# Altium PCB PCIE_X4_X16_ADP_V1.PcbDoc (continued)
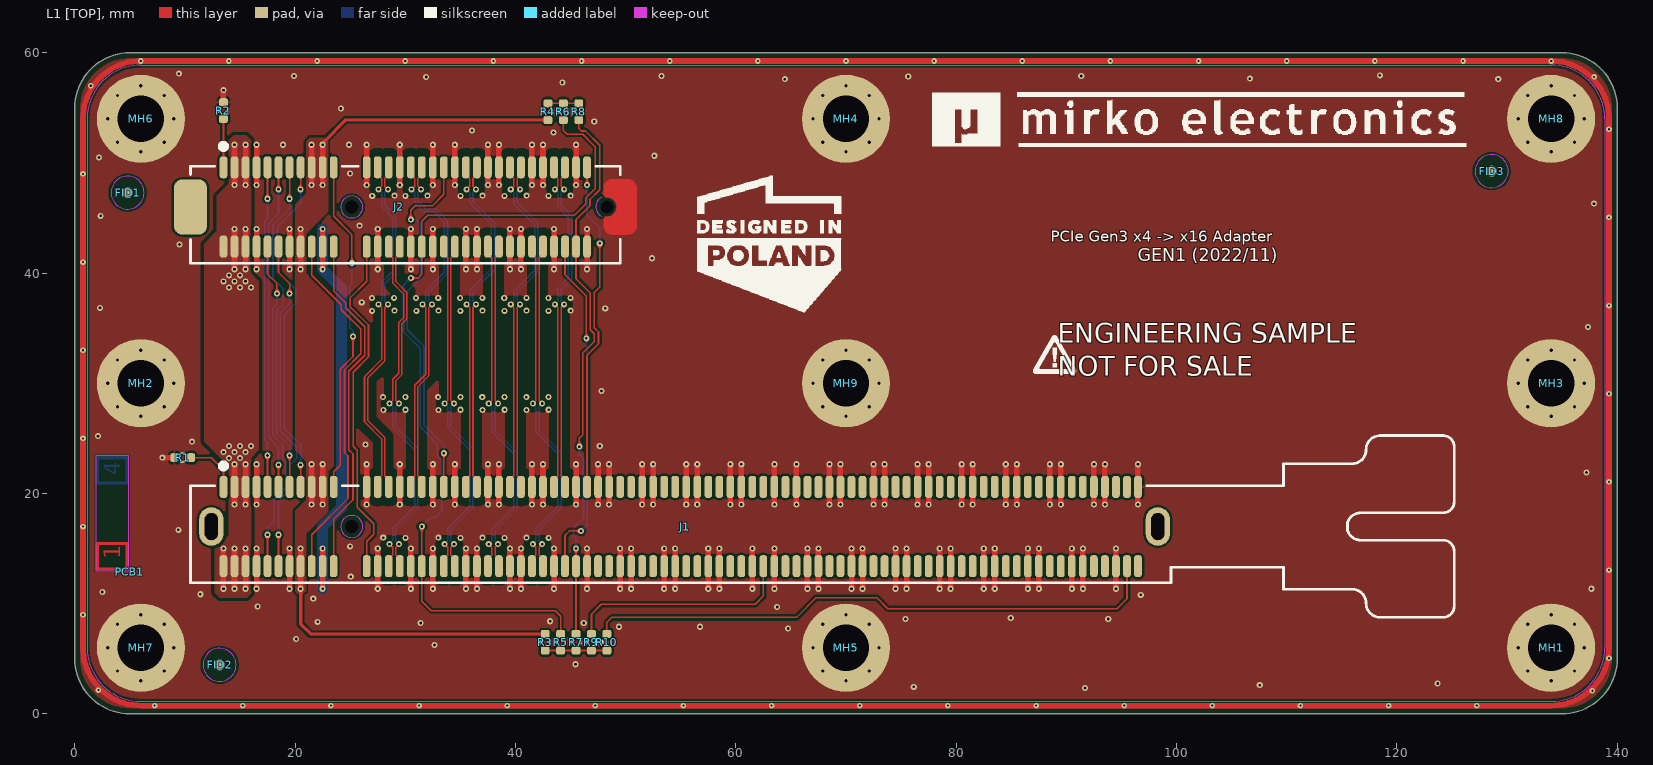
[diagram p0: L1 [TOP] view]
## Footprints (in the part's own frame and the unit in brackets; to place one, negate y for a bottom-side part, rotate by r counter-clockwise, add the part's x,y. Pads: shape width x height; smd on the part's side, far side on the other; paste and mask are expansions set on the pad) (continued)
  L4 [BOT] pour cut-out: 10.6,3.2 0,3.2 0,0 10.6,0
  L4 [BOT] lines w0.3: 8.05,2.95 10.35,2.95 10.35,0.25 8.05,0.25 8.05,2.95
  Keep-Out Layer region: 0.1,0.1 10.5,0.1 10.5,3.1 0.1,3.1
RES_0603_R [mm]
  rrect50% 0.75x0.8 smd: 1(-0.75,0) 2(0.75,0)
  silkscreen extent -0.15,-0.4 0.15,0.4, body extent -0.8,-0.4 0.8,0.4, height 0.3

## Part data
FID1 FID2 FID3: library part PCB_FID_RND, "PCB Marking; Fiducial; Round;", Component Subtype=-, Component Type=Fiducial, Mounting Type=-, Supplier=?
J1: library part CON_PCIE_X16_164P_A2, "Connector; PCIE x16 (164 pin)", Manufacturer=UMAX, MPN=91621-120113N
J2: library part CON_PCIE_X4_64P_A2, "Connector; PCIE x4 (64 pin)", Manufacturer=UMAX, MPN="UMAX 3113-111T"
MH1 MH2 MH3 MH4 MH5 MH6 MH7 MH8 MH9: library part PCB_MECH_MH, "PCB Marking; Mounting hole;", Component Subtype=-, Component Type="Mounting Hole", Mounting Type=-, Supplier=?
R1 R2 R3 R4 R5 R6 R7 R8 R9 R10: library part RES-0051, "Resistor; Thick Film; DNP; TBD; TBD; TBD; TBD; DO NOT PLACE; SMD; 0603 (1608);", Manufacturer=TBD, Package (Case)="0603 (1608)", Component Body="1.60 x 0.80mm", Component Height=TBD, Component Subtype="Thick Film", Component Type=Resistor, Features="DO NOT PLACE", ID=RES-0051, Mounting Type=SMD, MPN=TBD, Operating Temperature=TBD, Packaging Type=TBD, Power Rating=TBD, Resistance=DNP, ROHS Status=TBD, TCR=TBD, Tolerance=TBD, Voltage Rating=TBD
PCB1: Component Subtype=-, Component Type="PCB Marking", Mounting Type=-, Supplier=?

## Via types
v1: diameter 0.55, hole 0.25, L1 [TOP] to L4 [BOT], 408 vias
v2: diameter 0.65, hole 0.3, L1 [TOP] to L4 [BOT], 72 vias
v3: diameter 0.5, hole 0.2, L1 [TOP] to L4 [BOT], 50 vias

## Nets (pads, with @x,y where several pads share a name; then routed paths per layer and width w, separated by ;. In a path a pad name is that pad's centre, name@x,y a point inside that pad or via, vN(x,y) a via of type N, cw(c..) or ccw(c..) an arc to the next point about the centre after c; other vN are vias at no path point)
GND: J1.A04 J1.A12 J1.A15 J1.A18 J1.A20 J1.A23 J1.A24 J1.A27 J1.A28 J1.A31 J1.A33 J1.A34 J1.A37 J1.A38 J1.A41 J1.A42 J1.A45 J1.A46 J1.A49 J1.A51 J1.A54 J1.A55 J1.A58 J1.A59 J1.A62 J1.A63 J1.A66 J1.A67 J1.A70 J1.A71 J1.A74 J1.A75 J1.A78 J1.A79 J1.A82 J1.B04 J1.B07 J1.B13 J1.B16 J1.B18 J1.B21 J1.B22 J1.B25 J1.B26 J1.B29 J1.B32 J1.B35 J1.B36 J1.B39 J1.B40 J1.B43 J1.B44 J1.B47 J1.B49 J1.B52 J1.B53 J1.B56 J1.B57 J1.B60 J1.B61 J1.B64 J1.B65 J1.B68 J1.B69 J1.B72 J1.B73 J1.B76 J1.B77 J1.B80 J2.A04 J2.A12 J2.A15 J2.A18 J2.A20 J2.A23 J2.A24 J2.A27 J2.A28 J2.A31 J2.B04 J2.B07 J2.B13 J2.B16 J2.B18 J2.B21 J2.B22 J2.B25 J2.B26 J2.B29 J2.B32 MH1.MH MH2.MH MH3.MH MH4.MH MH5.MH MH6.MH MH7.MH MH8.MH MH9.MH R1.1 R2.1 | length 1100.7
  L1 [TOP] w0.5: v1(7.95,23.25) R1.1 ; R2.1 v1(13.5,56.6) ; v1(16.5,11.35) J1.B04 v1(16.5,15) ; v1(16.5,19) J1.A04 v1(16.5,22.65) ; v1(16.5,40.35) J2.B04 v1(16.5,44) ; v1(16.5,48) J2.A04 v1(16.5,51.65) ; v1(19.5,11.35) J1.B07 v1(19.5,15) ; v1(19.5,40.35) J2.B07 v1(19.5,44) ; v1(26.5,19) J1.A12 v1(26.5,22.65) ; v1(26.5,48) J2.A12 v1(26.5,51.65) ; v1(27.5,11.35) J1.B13 v1(27.5,15) ; v1(27.5,40.35) J2.B13 v1(27.5,44) ; v1(29.5,19) J1.A15 v1(29.5,22.65) ; v1(29.5,48) J2.A15 v1(29.5,51.65) ; v1(30.5,11.35) J1.B16 v1(30.5,15) ; v1(30.5,40.35) J2.B16 v1(30.5,44) ; v1(32.5,11.35) J1.B18 v1(32.5,15) ; v1(32.5,19) J1.A18 v1(32.5,22.65) ; v1(32.5,40.35) J2.B18 v1(32.5,44) ; v1(32.5,48) J2.A18 v1(32.5,51.65) ; v1(34.5,19) J1.A20 v1(34.5,22.65) ; v1(34.5,48) J2.A20 v1(34.5,51.65) ; v1(35.5,11.35) J1.B21 v1(35.5,15) ; v1(35.5,40.35) J2.B21 v1(35.5,44) ; v1(36.5,11.35) J1.B22 v1(36.5,15) ; v1(36.5,40.35) J2.B22 v1(36.5,44) ; v1(37.5,19) J1.A23 v1(37.5,22.65) ; v1(37.5,48) J2.A23 v1(37.5,51.65) ; v1(38.5,19) J1.A24 v1(38.5,22.65) ; v1(38.5,48) J2.A24 v1(38.5,51.65) ; v1(39.5,11.35) J1.B25 v1(39.5,15) ; v1(39.5,40.35) J2.B25 v1(39.5,44) ; v1(40.5,11.35) J1.B26 v1(40.5,15) ; v1(40.5,40.35) J2.B26 v1(40.5,44) ; v1(41.5,19) J1.A27 v1(41.5,22.65) ; v1(41.5,48) J2.A27 v1(41.5,51.65) ; v1(42.5,19) J1.A28 v1(42.5,22.65) ; v1(42.5,48) J2.A28 v1(42.5,51.65) ; v1(43.5,11.35) J1.B29 v1(43.5,15) ; v1(43.5,40.35) J2.B29 v1(43.5,44) ; v1(45.5,19) J1.A31 v1(45.5,22.65) ; v1(45.5,48) J2.A31 v1(45.5,51.65) ; v1(46.5,11.35) J1.B32 v1(46.5,15) ; v1(46.5,40.35) J2.B32 v1(46.5,44) ; v1(47.5,19) J1.A33 v1(47.5,22.65) ; v1(48.5,19) J1.A34 v1(48.5,22.65) ; v1(49.5,11.35) J1.B35 v1(49.5,15) ; v1(50.5,11.35) J1.B36 v1(50.5,15) ; v1(51.5,19) J1.A37 v1(51.5,22.65) ; v1(52.5,19) J1.A38 v1(52.5,22.65) ; v1(53.5,11.35) J1.B39 v1(53.5,15) ; v1(54.5,11.35) J1.B40 v1(54.5,15) ; v1(55.5,19) J1.A41 v1(55.5,22.65) ; v1(56.5,19) J1.A42 v1(56.5,22.65) ; v1(57.5,11.35) J1.B43 v1(57.5,15) ; v1(58.5,11.35) J1.B44 v1(58.5,15) ; v1(59.5,19) J1.A45 v1(59.5,22.65) ; v1(60.5,19) J1.A46 v1(60.5,22.65) ; v1(61.5,11.35) J1.B47 v1(61.5,15) ; v1(63.5,11.35) J1.B49 v1(63.5,15) ; v1(63.5,19) J1.A49 v1(63.5,22.65) ; v1(65.5,19) J1.A51 v1(65.5,22.65) ; v1(66.5,11.35) J1.B52 v1(66.5,15) ; v1(67.5,11.35) J1.B53 v1(67.5,15) ; v1(68.5,19) J1.A54 v1(68.5,22.65) ; v1(69.5,19) J1.A55 v1(69.5,22.65) ; v1(70.5,11.35) J1.B56 v1(70.5,15) ; v1(71.5,11.35) J1.B57 v1(71.5,15) ; v1(72.5,19) J1.A58 v1(72.5,22.65) ; v1(73.5,19) J1.A59 v1(73.5,22.65) ; v1(74.5,11.35) J1.B60 v1(74.5,15) ; v1(75.5,11.35) J1.B61 v1(75.5,15) ; v1(76.5,19) J1.A62 v1(76.5,22.65) ; v1(77.5,19) J1.A63 v1(77.5,22.65) ; v1(78.5,11.35) J1.B64 v1(78.5,15) ; v1(79.5,11.35) J1.B65 v1(79.5,15) ; v1(80.5,19) J1.A66 v1(80.5,22.65) ; v1(81.5,19) J1.A67 v1(81.5,22.65) ; v1(82.5,11.35) J1.B68 v1(82.5,15) ; v1(83.5,11.35) J1.B69 v1(83.5,15) ; v1(84.5,19) J1.A70 v1(84.5,22.65) ; v1(85.5,19) J1.A71 v1(85.5,22.65) ; v1(86.5,11.35) J1.B72 v1(86.5,15) ; v1(87.5,11.35) J1.B73 v1(87.5,15) ; v1(88.5,19) J1.A74 v1(88.5,22.65) ; v1(89.5,19) J1.A75 v1(89.5,22.65) ; v1(90.5,11.35) J1.B76 v1(90.5,15) ; v1(91.5,11.35) J1.B77 v1(91.5,15) ; v1(92.5,19) J1.A78 v1(92.5,22.65) ; v1(93.5,19) J1.A79 ; J1.A79 v1(93.5,22.65) ; v1(94.5,11.35) J1.B80 v1(94.5,15) ; v1(96.5,19) J1.A82 v1(96.5,22.65) ; 0.75,6 ccw(c6,6) 6,0.75 v3(7.25,0.75) v3(15.25,0.75) v3(23.25,0.75) v3(31.25,0.75) v3(39.25,0.75) v3(47.25,0.75) v3(55.25,0.75) v3(63.25,0.75) v3(71.25,0.75) v3(79.25,0.75) v3(87.25,0.75) v3(95.25,0.75) v3(103.25,0.75) v3(111.25,0.75) v3(119.25,0.75) v3(127.25,0.75) 134,0.75 ccw(c134,6) 139.25,6 139.25,54 ccw(c134,54) v3(134,59.249) v3(6,59.25) ccw(c6,54) 0.75,54 0.75,6
  L4 [BOT] w0.5: 0.75,6 ccw(c6,6) 6,0.75 v3(7.25,0.75) v3(15.25,0.75) v3(23.25,0.75) v3(31.25,0.75) v3(39.25,0.75) v3(47.25,0.75) v3(55.25,0.75) v3(63.25,0.75) v3(71.25,0.75) v3(79.25,0.75) v3(87.25,0.75) v3(95.25,0.75) v3(103.25,0.75) v3(111.25,0.75) v3(119.25,0.75) v3(127.25,0.75) 134,0.75 ccw(c134,6) 139.25,6 139.25,54 ccw(c134,54) v3(134,59.249) v3(6,59.25) ccw(c6,54) 0.75,54 0.75,6
  other v1: 91.7,2.35 76.15,2.45 107.55,2.6 123.7,2.75 45.45,4.5 32.65,6.25 20.1,6.8 64.75,7.75 49.4,7.9 56.75,7.9 31.4,8.25 46.2,8.25 22.05,8.35 43.15,8.4 75.4,8.6 93.8,8.6 84.95,8.7 63.75,9.7 16.6,9.75 21.65,10.45 96.75,10.8 11.4,10.85 2.5,11.05 137.65,11.35 25.05,12.45 25,15.2 30.015,15.972 35.015,15.972 39.015,15.972 43.015,15.972 28.003,15.99 33.003,15.99 37.003,15.99 41.003,15.99 9.4,16.7 137.2,21.9 47.65,24.3 26.4,24.45 10.65,24.7 2.1,25.2 28.006,27.579 30.018,27.596 33.006,27.579 35.018,27.596 37.006,27.579 39.018,27.596 41.006,27.579 43.018,27.596 27.989,28.741 30.001,28.758 32.989,28.741 35.001,28.758 36.989,28.741 39.001,28.758 40.989,28.741 43.001,28.758 47.8,29.3 137.35,35.1 26.999,36.573 30.999,36.573 34.999,36.573 38.999,36.573 42.999,36.573 29.011,36.59 33.011,36.59 37.011,36.59 41.011,36.59 45.011,36.59 48.15,36.8 2.3,36.85 26.05,37.35 26.982,37.735 28.994,37.752 30.982,37.735 32.994,37.752 34.982,37.735 36.994,37.752 38.982,37.735 40.994,37.752 42.982,37.735 44.994,37.752 52.4,41.35 9.5,42.6 25.85,44.3 2.35,45.2 137.9,46.3 27.003,47.01 29.015,47.028 30.003,47.01 32.015,47.028 35.003,47.01 37.015,47.028 39.003,47.01 41.015,47.028 43.003,47.01 45.015,47.028 25,49.05 2.2,50.5 52.6,50.65 18.9,51.65 24.9,51.65 43.45,52.75 36.05,52.95 47.15,53.75 24.15,54.95 44.25,57.3 64.45,57.6 129.2,57.6 106.65,57.65 31.9,57.8 75.65,57.85 19.9,57.9 53.25,57.9 91.35,57.9 118.45,57.95 9.45,58.1
  other v2: 6,3 70,3 134,3 3.879,3.879 8.121,3.879 67.879,3.879 72.121,3.879 131.879,3.879 136.121,3.879 3,6 9,6 67,6 73,6 131,6 137,6 3.879,8.121 8.121,8.121 67.879,8.121 72.121,8.121 131.879,8.121 136.121,8.121 6,9 70,9 134,9 6,27 70,27 134,27 3.879,27.879 8.121,27.879 67.879,27.879 72.121,27.879 131.879,27.879 136.121,27.879 3,30 9,30 67,30 73,30 131,30 137,30 3.879,32.121 8.121,32.121 67.879,32.121 72.121,32.121 131.879,32.121 136.121,32.121 6,33 70,33 134,33 6,51 70,51 134,51 3.879,51.879 8.121,51.879 67.879,51.879 72.121,51.879 131.879,51.879 136.121,51.879 3,54 9,54 67,54 73,54 131,54 137,54 3.879,56.121 8.121,56.121 67.879,56.121 72.121,56.121 131.879,56.121 136.121,56.121 6,57 70,57 134,57
  other v3: 137.75,2.1 2.15,2.15 139.25,5.05 0.75,9 139.25,13.05 0.75,17 139.25,21.05 0.75,25 139.25,29.05 0.75,33 139.25,37.05 0.75,41 139.25,45.05 0.75,49 139.25,53.05 1.45,57 137.9,57.8 14,59.25 22,59.25 30,59.25 38,59.25 46,59.25 54,59.25 62,59.25 70,59.25 78,59.25 86,59.25 94,59.25 102,59.25 110,59.25 118,59.25 126,59.25
JTAG_TCK: J1.A05 J2.A05 | length 29.2
  L1 [TOP] w0.15: J1.A05 v1(17.5,23.45) ; v1(17.5,46.75) J2.A05
  L4 [BOT] w0.15: v1(17.5,23.45) 17.5,24.645 17.239,24.907 17.239,44.693 17.5,44.954 v1(17.5,46.75)
JTAG_TDI: J1.A06 J2.A06 | length 29.7
  L1 [TOP] w0.15: J1.A06 v1(18.5,22.6) ; v1(18.5,47.6) J2.A06
  L4 [BOT] w0.15: v1(18.5,22.6) 18.5,24.2 17.597,25.103 17.597,44.503 18.5,45.406 v1(18.5,47.6)
JTAG_TDO: J1.A07 J2.A07 | length 30.8
  L1 [TOP] w0.15: J1.A07 v1(19.5,23.45) ; v1(19.5,46.75) J2.A07
  L4 [BOT] w0.15: v1(19.5,23.45) 19.5,24.3 18.31,25.49 18.31,36.585 18.927,37.202 18.927,38.573 18,39.5 18,44.357 19.5,45.857 v1(19.5,46.75)
JTAG_TMS: J1.A08 J2.A08 | length 31.6
  L1 [TOP] w0.15: J1.A08 v1(20.5,22.6) ; v1(20.5,47.6) J2.A08
  L4 [BOT] w0.15: v1(20.5,22.6) 20.5,24.4 19.004,25.896 19.004,36.221 20.075,37.291 20.075,38.475 18.398,40.152 18.398,44.21 20.5,46.312 v1(20.5,47.6)
JTAG_TRSTn: J1.B09 J2.B09 | length 33
  L1 [TOP] w0.15: J1.B09 21.5,16.25 24.8,19.55 24.8,23.4 24.477,23.723 24.477,31.199 25.958,32.68 25.958,34.927 24.2,36.685 24.2,37.115 21.5,39.815 J2.B09
NetJ1_B48: J1.B48 R9.1 | length 20.8
  L1 [TOP] w0.15: R9.1 46.9,9.05 47.8,9.95 61.75,9.95 62.5,10.7 J1.B48
NetJ1_B81: J1.B81 R10.1 | length 52.9
  L1 [TOP] w0.15: R10.1 48.3,8.3 48.75,8.75 65.5,8.75 67.283,10.533 72.817,10.533 73.8,9.55 94.6,9.55 95.5,10.45 J1.B81
NetR3_1: R3.1 R5.2 R7.2 R9.2 R10.2 | length 5.6
  L1 [TOP] w0.15: R3.1 R5.2 R7.2 R9.2 R10.2
NetR4_1: R4.1 R6.2 R8.2 | length 2.8
  L1 [TOP] w0.15: R4.1 R6.2 R8.2
PER0_N: J1.A17 J2.A17 | length 32.5
  L1 [TOP] w0.141: v1(31.425,47.6) 31.147,47.878 31.147,48.588 31.5,48.941 J2.A17 ; J1.A17 31.5,21.259 31.147,21.612 31.147,29.697 32.147,30.697 32.147,36.887 v1(32.422,37.162)
  L4 [BOT] w0.141: v1(31.425,47.6) 31.425,47.591 31.147,47.313 31.147,46.528 31.82,45.855 32.741,45.855 33.833,44.763 33.833,39.952 32.143,38.263 32.143,37.44 v1(32.422,37.162)
PER0_P: J1.A16 J2.A16 | length 32.5
  L1 [TOP] w0.141: J1.A16 30.5,21.259 30.853,21.612 30.853,29.818 31.853,30.818 31.853,36.88 v1(31.572,37.162) ; J2.A16 30.5,48.941 30.853,48.588 30.853,47.878 v1(30.575,47.6)
  L4 [BOT] w0.141: v1(30.575,47.6) 30.575,47.591 30.853,47.313 30.853,46.407 31.699,45.561 32.62,45.561 33.539,44.642 33.539,40.073 31.85,38.384 31.85,37.44 v1(31.572,37.162)
PER1_N: J1.A22 J2.A22 | length 31.4
  L1 [TOP] w0.141: v1(36.422,37.162) 36.147,36.887 36.147,21.612 36.5,21.259 J1.A22 ; v1(36.425,47.6) 36.147,47.878 36.147,48.588 36.5,48.941 J2.A22
  L4 [BOT] w0.141: v1(36.422,37.162) 36.143,37.44 36.143,38.323 38.115,40.294 38.115,44.526 36.147,46.494 36.147,47.322 v1(36.425,47.6)
PER1_P: J1.A21 J2.A21 | length 31.4
  L1 [TOP] w0.141: J1.A21 35.5,21.259 35.853,21.612 35.853,36.88 v1(35.572,37.162) ; J2.A21 35.5,48.941 35.853,48.588 35.853,47.878 v1(35.575,47.6)
  L4 [BOT] w0.141: v1(35.572,37.162) 35.85,37.44 35.85,38.444 37.822,40.416 37.822,44.404 35.853,46.373 35.853,47.322 v1(35.575,47.6)
PER2_N: J1.A26 J2.A26 | length 31.3
  L1 [TOP] w0.141: v1(40.422,37.162) 40.147,36.887 40.147,21.612 40.5,21.259 J1.A26 ; v1(40.425,47.6) 40.147,47.878 40.147,48.588 40.5,48.941 J2.A26
  L4 [BOT] w0.141: v1(40.422,37.162) 40.143,37.44 40.143,38.241 42.04,40.137 42.04,44.537 40.147,46.43 40.147,47.322 v1(40.425,47.6)
PER2_P: J1.A25 J2.A25 | length 31.3
  L1 [TOP] w0.141: J1.A25 39.5,21.259 39.853,21.612 39.853,36.88 v1(39.572,37.162) ; J2.A25 39.5,48.941 39.853,48.588 39.853,47.878 v1(39.575,47.6)
  L4 [BOT] w0.141: v1(39.572,37.162) 39.85,37.44 39.85,38.362 41.747,40.259 41.747,44.415 39.853,46.308 39.853,47.322 v1(39.575,47.6)
PER3_N: J1.A30 J2.A30 | length 30.5
  L1 [TOP] w0.141: v1(44.422,37.162) 44.147,36.887 44.147,21.612 44.5,21.259 J1.A30 ; v1(44.425,47.6) 44.147,47.878 44.147,48.588 44.5,48.941 J2.A30
  L4 [BOT] w0.141: v1(44.422,37.162) 44.143,37.44 44.143,38.478 45.094,39.429 45.094,45.203 44.147,46.15 44.147,47.322 v1(44.425,47.6)
PER3_P: J1.A29 J2.A29 | length 30.5
  L1 [TOP] w0.141: J1.A29 43.5,21.259 43.853,21.612 43.853,36.88 v1(43.572,37.162) ; J2.A29 43.5,48.941 43.853,48.588 43.853,47.878 v1(43.575,47.6)
  L4 [BOT] w0.141: v1(43.572,37.162) 43.85,37.44 43.85,38.6 44.801,39.551 44.801,45.081 43.853,46.028 43.853,47.322 v1(43.575,47.6)
PERSTn: J1.A11 J2.A11 | length 30.6
  L1 [TOP] w0.15: J1.A11 23.5,21.979 24.088,22.568 24.088,31.27 25.25,32.432 v1(25.25,34.25) ; J2.A11 23.5,45.15 25.15,43.5 v1(25.15,40.9)
  L4 [BOT] w0.15: v1(25.15,40.9) 25.15,39 24.953,38.803 24.953,35.047 25.25,34.75 v1(25.25,34.25)
PET0_N: J1.B15 J2.B15 | length 32.2
  L1 [TOP] w0.141: v1(29.425,15.4) 29.147,15.122 29.147,14.412 29.5,14.059 J1.B15 ; v1(29.428,28.168) 29.147,28.45 29.147,30.245 29.693,30.792 29.693,35.393 30.143,35.843 30.143,38.23 29.147,39.226 29.147,41.388 29.5,41.741 J2.B15
  L4 [BOT] w0.141: v1(29.425,15.4) 29.147,15.678 29.147,16.732 31.143,18.728 31.143,24.072 29.143,26.072 29.143,27.883 v1(29.428,28.168)
PET0_P: J1.B14 J2.B14 | length 32.2
  L1 [TOP] w0.141: J1.B14 28.5,14.059 28.853,14.412 28.853,15.122 v1(28.575,15.4) ; J2.B14 28.5,41.741 28.853,41.388 28.853,39.105 29.85,38.108 29.85,35.965 29.4,35.515 29.4,30.913 28.853,30.367 28.853,28.443 v1(28.578,28.168)
  L4 [BOT] w0.141: v1(28.575,15.4) 28.853,15.678 28.853,16.853 30.85,18.85 30.85,23.95 28.85,25.95 28.85,27.897 v1(28.578,28.168)
PET1_N: J1.B20 J2.B20 | length 31.4
  L1 [TOP] w0.141: v1(34.425,15.4) 34.147,15.122 34.147,14.412 34.5,14.059 J1.B20 ; v1(34.428,28.168) 34.147,28.45 34.147,41.388 34.5,41.741 J2.B20
  L4 [BOT] w0.141: v1(34.425,15.4) 34.147,15.678 34.147,16.732 36.143,18.728 36.143,24.072 34.143,26.072 34.143,27.883 v1(34.428,28.168)
PET1_P: J1.B19 J2.B19 | length 31.4
  L1 [TOP] w0.141: J1.B19 33.5,14.059 33.853,14.412 33.853,15.122 v1(33.575,15.4) ; J2.B19 33.5,41.741 33.853,41.388 33.853,28.443 v1(33.578,28.168)
  L4 [BOT] w0.141: v1(33.575,15.4) 33.853,15.678 33.853,16.853 35.85,18.85 35.85,23.95 33.85,25.95 33.85,27.897 v1(33.578,28.168)
PET2_N: J1.B24 J2.B24 | length 31.4
  L1 [TOP] w0.141: v1(38.425,15.4) 38.147,15.122 38.147,14.412 38.5,14.059 J1.B24 ; v1(38.428,28.168) 38.147,28.45 38.147,41.388 38.5,41.741 J2.B24
  L4 [BOT] w0.141: v1(38.425,15.4) 38.147,15.678 38.147,16.632 40.143,18.628 40.143,23.722 38.143,25.722 38.143,27.883 v1(38.428,28.168)
PET2_P: J1.B23 J2.B23 | length 31.4
  L1 [TOP] w0.141: J1.B23 37.5,14.059 37.853,14.412 37.853,15.122 v1(37.575,15.4) ; J2.B23 37.5,41.741 37.853,41.388 37.853,28.443 v1(37.578,28.168)
  L4 [BOT] w0.141: v1(37.575,15.4) 37.853,15.678 37.853,16.753 39.85,18.75 39.85,23.6 37.85,25.6 37.85,27.897 v1(37.578,28.168)
PET3_N: J1.B28 J2.B28 | length 31.4
  L1 [TOP] w0.141: v1(42.425,15.4) 42.147,15.122 42.147,14.412 42.5,14.059 J1.B28 ; v1(42.428,28.168) 42.147,28.45 42.147,41.388 42.5,41.741 J2.B28
  L4 [BOT] w0.141: v1(42.425,15.4) 42.147,15.678 42.147,16.682 44.143,18.678 44.143,23.722 42.143,25.722 42.143,27.883 v1(42.428,28.168)
PET3_P: J1.B27 J2.B27 | length 31.4
  L1 [TOP] w0.141: J1.B27 41.5,14.059 41.853,14.412 41.853,15.122 v1(41.575,15.4) ; J2.B27 41.5,41.741 41.853,41.388 41.853,28.443 v1(41.578,28.168)
  L4 [BOT] w0.141: v1(41.575,15.4) 41.853,15.678 41.853,16.803 43.85,18.8 43.85,23.6 41.85,25.6 41.85,27.897 v1(41.578,28.168)
PP3300: J1.A09 J1.A10 J1.B08 J2.A09 J2.A10 J2.B08 R3.2 R4.2 | length 69.1
  L1 [TOP] w0.3: v1(20.5,11.35) 20.5,8.15 21.4,7.25 R3.2 ; v1(22.5,51.65) 22.5,51.718 22.625,51.843 22.625,51.923 24.602,53.9 R4.2
  L1 [TOP] w0.5: v1(20.5,11.35) J1.B08 v1(20.5,15) ; v1(20.5,40.35) J2.B08 v1(20.5,44) ; v1(21.5,19) J1.A09 v1(21.5,22.65) ; v1(21.5,48) J2.A09 v1(21.5,51.65) ; v1(22.5,19) J1.A10 v1(22.5,22.65) ; v1(22.5,48) J2.A10 v1(22.5,51.65)
PP3300_AUX: J1.B10 J2.B10 | length 41.4
  L1 [TOP] w0.5: v1(22.5,11.35) J1.B10 v1(22.5,15) ; v1(22.5,40.35) J2.B10 v1(22.5,44)
  L4 [BOT] w1: v1(22.5,11.35) v1(22.5,15) 22.5,17 24.228,18.728 24.228,38.622 v1(22.5,40.35) v1(22.5,44)
PP12000H: J1.A02 J1.A03 J1.B01 J1.B02 J1.B03 J2.A02 J2.A03 J2.B01 J2.B02 J2.B03 | length 32.8
  L1 [TOP] w0.5: v1(13.5,11.35) J1.B01 v1(13.5,15) ; v1(14.5,11.35) J1.B02 v1(14.5,15) ; v1(14.5,19) J1.A02 v1(14.5,22.65) ; v1(14.5,40.35) J2.B02 v1(14.5,44) ; v1(14.5,48) J2.A02 v1(14.5,51.65) ; v1(15.5,11.35) J1.B03 v1(15.5,15) ; v1(15.5,19) J1.A03 v1(15.5,22.65) ; v1(15.5,40.35) J2.B03 v1(15.5,44) ; v1(15.5,48) J2.A03 v1(15.5,51.65)
  other v1: 14,23.2 15,23.2 13.5,23.75 14.5,23.75 15.5,23.75 14,24.3 15,24.3 16,24.3 14,38.7 15,38.7 16,38.7 13.5,39.25 14.5,39.25 15.5,39.25 14,39.8 15,39.8
PRSNT1An: J1.A01 R1.2 | length 5
  L1 [TOP] w0.15: R1.2 12.4,23.25 13.5,22.15 J1.A01
PRSNT1Bn: J2.A01 R2.2 | length 4.4
  L1 [TOP] w0.15: J2.A01 R2.2
PRSNT2An: J1.B17 J2.B17 R5.1 R6.1 | length 78.3
  L1 [TOP] w0.15: v1(30.5,39.55) 31.15,39.55 31.5,39.9 J2.B17 31.5,44.7 32.05,45.25 45.362,45.25 46.364,46.252 46.364,46.793 47.25,47.679 47.25,51.45 46.1,52.6 44.7,52.6 44.35,52.95 R6.1 ; v1(31.5,17) J1.B17 31.5,10.216 32.366,9.35 43.6,9.35 44.1,8.85 R5.1
  L4 [BOT] w0.15: v1(30.5,39.55) 29.838,38.888 29.838,34.662 31.345,33.155 31.345,26.045 32.901,24.489 32.901,23.425 33.322,23.004 33.322,18.422 32.7,17.8 32.3,17.8 v1(31.5,17)
PRSNT2Bn: J1.B31 J2.B31 R7.1 R8.1 | length 50.4
  L1 [TOP] w0.15: R7.1 J1.B31 v1(45.5,15) ; R8.1 45.75,53.15 46,52.9 46.35,52.9 47.65,51.6 47.65,47.57 46.764,46.683 46.764,46.103 45.5,44.839 J2.B31 45.5,39.5 46.8,38.2 46.8,34.85 47.15,34.5 47.15,33.8 46.1,32.75 46.1,25.3 45.8,25 v1(45.8,24.25)
  L4 [BOT] w0.15: v1(45.5,15) 45.5,15.95 45.3,16.15 45.3,16.9 46.171,17.771 46.171,23.179 45.8,23.55 v1(45.8,24.25)
REFCLK_N: J1.A14 J2.A14 | length 31.9
  L1 [TOP] w0.141: v1(28.422,37.162) 28.147,36.887 28.147,32.032 26.593,30.478 26.593,26.622 28.147,25.068 28.147,21.612 28.5,21.259 J1.A14 ; v1(28.425,47.6) 28.147,47.878 28.147,48.588 28.5,48.941 J2.A14
  L4 [BOT] w0.141: v1(28.422,37.162) 28.143,37.44 28.143,39.036 29.15,40.043 29.15,45.147 28.147,46.15 28.147,47.322 v1(28.425,47.6)
REFCLK_P: J1.A13 J2.A13 | length 31.9
  L1 [TOP] w0.141: J1.A13 27.5,21.259 27.853,21.612 27.853,24.947 26.3,26.5 26.3,30.6 27.853,32.153 27.853,36.88 v1(27.572,37.162) ; J2.A13 27.5,48.941 27.853,48.588 27.853,47.878 v1(27.575,47.6)
  L4 [BOT] w0.141: v1(27.572,37.162) 27.85,37.44 27.85,39.158 28.857,40.164 28.857,45.025 27.853,46.028 27.853,47.322 v1(27.575,47.6)
RSVD1A: J1.A19 J2.A19 | length 33.7
  L1 [TOP] w0.15: v1(30.5,44.85) 30.5,45.711 30.908,46.12 32.464,46.12 33.5,47.155 J2.A19 ; J1.A19 v1(33.5,23.65)
  L4 [BOT] w0.15: v1(30.5,44.85) 31.05,44.85 31.35,44.55 31.35,39.494 30.187,38.332 30.187,34.863 31.7,33.35 31.7,26.19 33.5,24.39 v1(33.5,23.65)
RSVD1B: J1.B12 J2.B12 | length 31.9
  L1 [TOP] w0.15: J1.B12 26.5,15.65 27.15,16.3 27.15,17.25 25.65,18.75 25.65,23.9 25.266,24.284 25.266,31.005 26.664,32.403 26.664,35.286 24.991,36.959 24.991,37.741 26.5,39.25 J2.B12
RSVD2A: J1.A32 J2.A32 | length 30.3
  L1 [TOP] w0.15: J1.A32 46.5,32.548 47.538,33.586 47.538,34.662 47.15,35.05 47.15,38.232 47.65,38.732 v1(47.65,42.7) ; v1(46.5,48) J2.A32
  L4 [BOT] w0.15: v1(46.5,48) 46.5,45.25 47.65,44.1 v1(47.65,42.7)
RSVD2B: J1.B30 J2.B30 | length 31.3
  L1 [TOP] w0.15: J1.B30 44.5,16.199 44.901,16.6 v1(45.95,16.6) ; J2.B30 44.5,39.85 46.433,37.917 v1(46.433,34.083)
  L4 [BOT] w0.15: v1(45.95,16.6) 46.515,17.165 46.515,33.235 46.433,33.317 v1(46.433,34.083)
SMCLK: J1.B05 J2.B05 | length 30.7
  L1 [TOP] w0.15: J1.B05 v1(17.5,16.25) ; J2.B05 17.5,39.9 18.35,39.05 v1(18.35,38.15)
  L4 [BOT] w0.15: v1(17.5,16.25) 17.5,16.885 18.112,17.497 18.112,19.462 19.15,20.5 19.15,22.9 18.85,23.2 18.85,24.4 17.962,25.288 17.962,36.812 18.35,37.2 v1(18.35,38.15)
SMDAT: J1.B06 J2.B06 | length 31.1
  L1 [TOP] w0.15: J1.B06 v1(18.5,16.25) ; J2.B06 18.5,40.05 19.5,39.05 v1(19.5,38.15)
  L4 [BOT] w0.15: v1(18.5,16.25) 18.5,19.3 19.53,20.33 19.53,22.58 20.15,23.2 20.15,24.2 18.661,25.689 18.661,36.385 19.5,37.224 v1(19.5,38.15)
WAKEn: J1.B11 J2.B11 | length 31.6
  L1 [TOP] w0.15: J1.B11 23.5,17.689 25.25,19.439 25.25,23.586 24.866,23.97 24.866,31.098 26.314,32.546 26.314,35.136 24.593,36.857 24.593,37.279 23.5,38.372 J2.B11
pads on no net: FID1.0 FID2.0 FID3.0 J1.A35 J1.A36 J1.A39 J1.A40 J1.A43 J1.A44 J1.A47 J1.A48 J1.A50 J1.A52 J1.A53 J1.A56 J1.A57 J1.A60 J1.A61 J1.A64 J1.A65 J1.A68 J1.A69 J1.A72 J1.A73 J1.A76 J1.A77 J1.A80 J1.A81 J1.B33 J1.B34 J1.B37 J1.B38 J1.B41 J1.B42 J1.B45 J1.B46 J1.B50 J1.B51 J1.B54 J1.B55 J1.B58 J1.B59 J1.B62 J1.B63 J1.B66 J1.B67 J1.B70 J1.B71 J1.B74 J1.B75 J1.B78 J1.B79 J1.B82 J1.MH J1.MH1 J1.MH2 J2.MH

## Polygon pours and split planes (outlines as drawn)
GND on L1 [TOP] "L1_GND" (solid, remove dead copper, pour order 10): 0,60 140,60 140,0 0,0
PP3300 on L1 [TOP] "L1_PP3300" (solid, remove dead copper, pour order 7): 23.5,24.5 23.5,22.5 23,22 23,18.35 21,16.35 21,11.15 20.75,10.9 20.2,10.9 20,11.1 20,18.45 21,19.45 21,22.9 20,23.9 20,39.1 20,46.25 21,47.25 21,51.95 21.35,52.3 22.65,52.3 23,51.95 23,45.55 21,43.55 21,40 23.5,37.5
PP12000H on L1 [TOP] "L1_PP12000H" (solid, remove dead copper, pour order 2): 12.9,23.55 11.75,24.7 11.75,42.65 12.9,43.85 12.9,47 14,48.1 14,52.05 14.45,52.5 15.55,52.5 16,52.05 16,39.95 16.7,39.25 16.7,23.95 16,23.25 16,10.95 15.6,10.55 13.15,10.55 12.7,11 12.7,14.9 14,16.2 14,22.45
GND on L4 [BOT] "L4_GND" (solid, remove dead copper, pour order 9): 0,60 140,60 140,0 0,0
PP3300 on L4 [BOT] "L4_PP3300" (solid, remove dead copper, pour order 8): 19.657,25.943 19.657,36.387 20.414,37.144 20.414,38.686 20,39.1 20,45.2 21,46.2 21,48.5 21,51.95 21.4,52.35 22.7,52.35 23.15,51.9 23.15,48.15 23.15,45.7 21.8,44.35 21.8,40.015 23.5,38.315 23.5,19.1 21.7,17.3 21.7,14.45 21.3,14.05 20.35,14.05 19.95,14.45 19.95,19.25 21,20.3 21,24.6
PP12000H on L4 [BOT] "L4_PP12000H" (solid, remove dead copper, pour order 0): 16,10.95 15.6,10.55 13.15,10.55 12.7,11 12.7,14.9 14,16.2 14,22.45 11.75,24.7 11.75,42.7 12.9,43.85 12.9,47 14,48.1 14,52.05 14.45,52.5 15.55,52.5 16,52.05 16,39.95 16.7,39.25 16.7,23.95 16,23.25
GND on L2 "L1_GND" (solid, remove dead copper, pour order 11): 0,60 140,60 140,0 0,0
GND on L3 "L1_GND" (solid, remove dead copper, pour order 12): 0,60 140,60 140,0 0,0

## Keep-outs
L1 [TOP]:
  lines w0.05: 47.793,45.138 cw(c48.3,46) 47.832,46.884 ; 1.129,6 ccw(c6,6) 6,1.129 134,1.129 ccw(c134,6) 138.871,6 138.871,54 ccw(c134,54) 134,58.871 6,58.871 ccw(c6,54) 1.129,54 1.129,6
L2:
  circle w0.05: c48.3,46 r1
L3:
  circle w0.05: c48.3,46 r1
L4 [BOT]:
  circle w0.05: c48.3,46 r1
  lines w0.05: 1.129,6 ccw(c6,6) 6,1.129 134,1.129 ccw(c134,6) 138.871,6 138.871,54 ccw(c134,54) 134,58.871 6,58.871 ccw(c6,54) 1.129,54 1.129,6
Keep-Out Layer:
  circle w0.05: c25.15,46 r1
  circle w0.05: c25.15,17 r1

## Silkscreen, mask and mechanical layers (free items; w line width, h text height)
Silk [TOP]:
  drawing of 40 lines, arcs and shapes, not listed
  text "PCIe Gen3 x4 -> x16 Adapter" at 88.6,42.85 h1
  text "GEN1 (2022/11)" at 96.5,40.65 h2
  text "ENGINEERING SAMPLE / NOT FOR SALE" at 89.2,30.1 h3
Silk [BOT]:
  drawing of 74 lines, arcs and shapes, not listed
  text "CERTIFICATION PENDING" at 106.577,27.202 h2.2
  text "Concept/Idea: Jeff Geerling (https://github.com/geerlingguy/pi4gpu) /  / HW/PCB Design: Miroslaw Folejewski (https://twitter.com/Mirko_DIY)" at 98.25,11.05 h2.2
M01 BoardOutline:
  the board outline again, w0.1
M20 AssemblySMDBot:
  text "SMD ASSEMBLY (BOT VIEW)" at 70.025,10.525 h4

## Dimensions
0,5 to 140,5 on M10 Dimensions
135,60 to 135,0 on M10 Dimensions

## Text inside footprints (layer, text, board x,y; h text height)
PCB1: L1 [TOP] "1" at 4.15,14.05 h1.5 r90; L3 "3" at 4.15,19 h1.5 r90; L2 "2" at 4.15,16.4 h1.5 r90; L4 [BOT] "4" at 4.15,21.6 h1.5 r90